# Altium PCB PCB_ALMA_TESLA.PcbDoc (part 1 of 3) (continued)
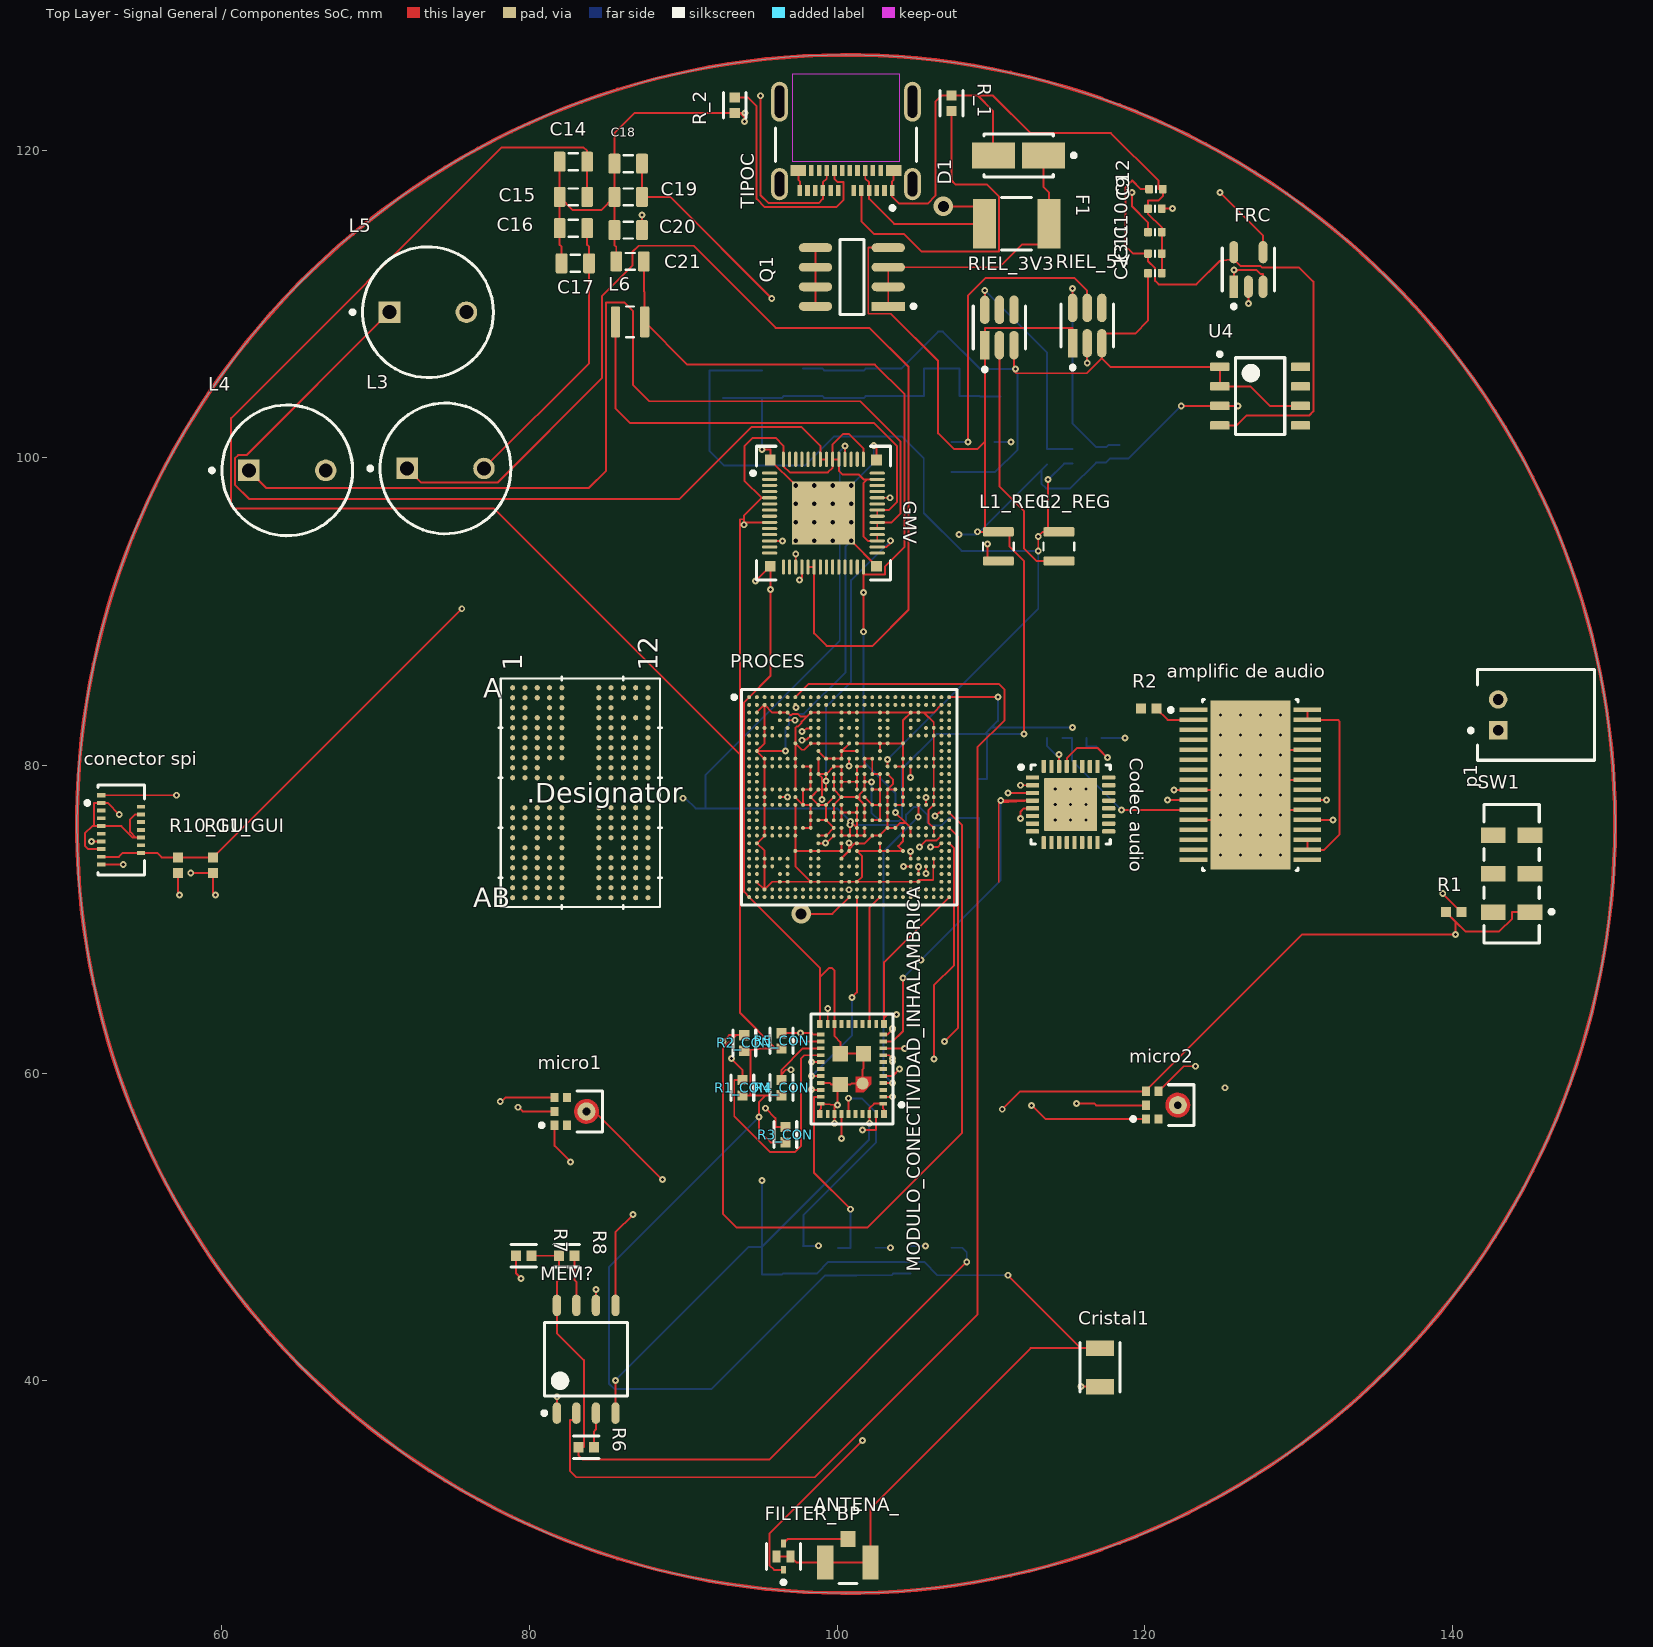
[diagram p0: Top Layer - Signal General / Componentes SoC view]
## Design rules (kind name [scope] priority, off if disabled: settings) (continued)
DiffPairsRouting [All] p2: maxlimit=0.2 minlimit=0.2 mostfreqgap=0.2 toplayer_minwidth=0.381 toplayer_maxwidth=0.381 toplayer_prefwidth=0.381 midlayer1_minwidth=0.381 midlayer1_maxwidth=0.381 midlayer1_prefwidth=0.381 midlayer2_minwidth=0.381 midlayer2_maxwidth=0.381 midlayer2_prefwidth=0.381 midlayer3_minwidth=0.381 midlayer3_maxwidth=0.381 midlayer3_prefwidth=0.381 midlayer4_minwidth=0.381 midlayer4_maxwidth=0.381 midlayer4_prefwidth=0.381 midlayer5_minwidth=0.381 midlayer5_maxwidth=0.381 midlayer5_prefwidth=0.381 midlayer6_minwidth=0.381 midlayer6_maxwidth=0.381 midlayer6_prefwidth=0.381 midlayer7_minwidth=0.381 midlayer7_maxwidth=0.381 midlayer7_prefwidth=0.381 midlayer8_minwidth=0.381 midlayer8_maxwidth=0.381 midlayer8_prefwidth=0.381 bottomlayer_minwidth=0.381 bottomlayer_maxwidth=0.381 bottomlayer_prefwidth=0.381 maxuncoupledlength=12.7
FabricationTestPointUsage [All] p1: isadvanced=TRUE valid=0 allowmultiple=FALSE
FabricationTestpoint [All] p1: isadvanced=TRUE side=3 testpointundercomponent=TRUE minsize=1.016 maxsize=0.2 preferedsize=0.2 minholesize=0 maxholesize=1.016 preferedholesize=0.813 testpointgrid=0.025 allowsidetop=TRUE allowsidebottom=TRUE usegrid=TRUE gridtolerance=0
FanoutControl Fanout_BGA [IsBGA] p1: isadvanced=TRUE bgadir=Out bgaviamode=Centered fanoutstyle=Auto fanoutdirection=Alternating viagrid=0.025 // Fanout_BGA (Default Rule)
FanoutControl Fanout_LCC [IsLCC] p2: isadvanced=TRUE bgadir=Out bgaviamode=Centered fanoutstyle=Auto fanoutdirection=Alternating viagrid=0.025 // Fanout_LCC (Default Rule)
FanoutControl Fanout_SOIC [IsSOIC] p3: isadvanced=TRUE bgadir=Out bgaviamode=Centered fanoutstyle=Auto fanoutdirection=Alternating viagrid=0.025 // Fanout_SOIC (Default Rule)
FanoutControl Fanout_Small [(CompPinCount < 5)] p4: isadvanced=TRUE bgadir=Out bgaviamode=Centered fanoutstyle=Auto fanoutdirection=OutThenIn viagrid=0.025 // Fanout_Small (Default Rule)
FanoutControl Fanout_Default [All] p5: isadvanced=TRUE bgadir=Out bgaviamode=Centered fanoutstyle=Auto fanoutdirection=Alternating viagrid=0.025 // Fanout_Default (Default Rule)
Height [All] p1: isadvanced=TRUE minheight=0 maxheight=25.4 prefheight=12.7
HoleSize [All] p1: isadvanced=TRUE absolutevalues=TRUE maxlimit=0.2 minlimit=0.025 maxpercent=80.000 minpercent=20.000
HoleToHoleClearance [All] p1: isadvanced=TRUE gap=0.2 allowstackedmicrovias=TRUE
LayerPairs [All] p1: isadvanced=TRUE enforce=TRUE
MinimumSolderMaskSliver [All] p1: isadvanced=TRUE minsoldermaskwidth=0.254
NetAntennae [All] p1: isadvanced=TRUE netantennaetolerance=0
PasteMaskExpansion [All] p1: isadvanced=TRUE expansion=0
PlaneClearance [All] p1: isadvanced=TRUE clearance=0.508
PlaneConnect [All] p1: isadvanced=TRUE planeconnectstyle=Relief reliefexpansion=0.508 reliefentries=4 reliefconductorwidth=0.254 reliefairgap=0.254
PolygonConnect [All] p1: connectstyle=Relief reliefconductorwidth=0.254 reliefentries=4 polygonreliefangle="90 Angle" airgapwidth=0.254
RoomDefinition U_Conectividad [InComponentClass('U_Conectividad')] p1: isadvanced=TRUE confinementstyle=ConfineIn formatcopy=TRUE lockcomponents=FALSE outline 78.233,47.043 78.233,49.223 92.763,49.223 92.763,60.572 92.89,60.572 92.89,63.239 95.303,63.239 95.303,63.366 97.843,63.366 97.843,64.296 104.701,64.296 104.701,49.658 105.904,49.658 105.904,49.542 108.571,49.542 108.571,43.078 118.748,43.078 118.748,38.67 103.165,38.67 103.165,26.365 98.257,26.365 98.257,26.396 95.066,26.396 95.066,34.597 82.176,34.597 82.176,36.823 80.332,36.823 80.332,47.043
RoomDefinition U_Sonido [InComponentClass('U_Sonido')] p2: isadvanced=TRUE confinementstyle=ConfineIn formatcopy=TRUE lockcomponents=FALSE outline 80.295,55.336 80.295,59.694 111.46,59.694 111.46,80.749 112.776,80.749 112.776,82.667 118.932,82.667 118.932,84.522 121.194,84.522 121.194,84.894 140.699,84.894 140.699,86.625 149.61,86.625 149.61,79.967 146.954,79.967 146.954,68.015 124.084,68.015 124.084,55.717 85.603,55.717 85.603,55.336
RoomDefinition U_03_Potencia_Audio [InComponentClass('U_03_Potencia_Audio')] p3: isadvanced=TRUE confinementstyle=ConfineIn formatcopy=TRUE lockcomponents=FALSE outline 119.541,111.339 119.541,115.356 119.541,116.88 119.61,116.88 119.61,118.15 121.86,118.15 121.86,114.653 128.746,114.653 128.746,107.193 131.083,107.193 131.083,101.188 123.933,101.188 123.933,111.339
RoomDefinition U_04_PMIC_Alimentacion [InComponentClass('U_04_PMIC_Alimentacion')] p4: isadvanced=TRUE confinementstyle=ConfineIn formatcopy=TRUE lockcomponents=FALSE outline 58.912,94.612 58.912,103.762 68.056,103.762 68.056,114.049 81.14,114.049 81.14,120.328 84.59,120.328 84.59,120.201 88.157,120.201 88.157,113.851 88.273,113.851 88.273,101.059 103.766,101.059 103.766,91.759 94.091,91.759 94.091,94.612
RoomDefinition U_01_Entrada_y_Proteccion [InComponentClass('U_01_Entrada_y_Proteccion')] p5: isadvanced=TRUE confinementstyle=ConfineIn formatcopy=TRUE lockcomponents=FALSE outline 93.779,121.54 93.779,124.32 95.817,124.32 95.817,125.694 106.465,125.694 106.465,124.447 108.532,124.447 108.532,121.845 115.888,121.845 115.888,117.487 114.986,117.487 114.986,113.062 105.519,113.062 105.519,109.976 96.955,109.976 96.955,115.776 95.817,115.776 95.817,121.54
RoomDefinition U_02_Reguladores_Buck [InComponentClass('U_02_Reguladores_Buck')] p6: isadvanced=TRUE confinementstyle=ConfineIn formatcopy=TRUE lockcomponents=FALSE outline 91.327,105.928 91.327,109.486 96.534,109.486 96.534,109.613 108.379,109.613 108.379,109.985 117.366,109.985 117.366,104.58 117.542,104.58 117.542,104.449 118.966,104.449 118.966,102.191 117.542,102.191 117.542,101.922 116.145,101.922 116.145,101.762 114.636,101.762 114.636,99.855 109.011,99.855 109.011,100.609 108.58,100.609 108.58,100.654 105.786,100.654 105.786,105.928
RoomDefinition U_Interfaz_grafica [InComponentClass('U_Interfaz_grafica')] p7: isadvanced=TRUE confinementstyle=ConfineIn formatcopy=TRUE lockcomponents=FALSE outline 50.763,72.44 50.763,79.198 55.476,79.198 55.476,74.6 62.17,74.6 62.17,71.942 59.884,71.942 59.884,71.688 58.226,71.688 58.226,72.44
RoutingCorners [All] p1: isadvanced=TRUE cornerstyle=45-Degree minsetback=2.54 maxsetback=2.54
RoutingPriority [All] p1: isadvanced=TRUE routingpriority=0
RoutingVias RoutingViaStyle_1 [All] p1: isadvanced=TRUE holewidth=0.2 width=0.45 viastyle="Through Hole" minholewidth=0.2 minwidth=0.45 maxholewidth=0.2 maxwidth=0.45
RoutingVias [All] p2: holewidth=0.711 width=1.27 viastyle="Through Hole" minholewidth=0.711 minwidth=1.27 maxholewidth=0.711 maxwidth=1.27
ShortCircuit [All] p1: isadvanced=TRUE allowed=FALSE
SilkToSilkClearance [All] p1: isadvanced=TRUE silktosilkclearance=0.2
SilkToSolderMaskClearance [IsPad] p1: isadvanced=TRUE minsilkscreentomaskgap=0.2 clearancetoexposedcopper=TRUE
SolderMaskExpansion [All] p1: isadvanced=TRUE expansion=0 istentingtop=FALSE
SupplyNets "Schematic Supply Nets_9" [InNet('3V3_DIGITAL')] p1: isadvanced=TRUE voltage=0.000
SupplyNets "Schematic Supply Nets_7" [InNet('VCC_SON')] p2: isadvanced=TRUE voltage=0.000
SupplyNets "Schematic Supply Nets_6" [InNet('VCC5V0')] p3: isadvanced=TRUE voltage=0.000
SupplyNets "Schematic Supply Nets_5" [InNet('5V_DIGITAL')] p4: isadvanced=TRUE voltage=0.000
SupplyNets "Schematic Supply Nets_3" [InNet('VDD_1V8_DIGITAL')] p5: isadvanced=TRUE voltage=0.000
SupplyNets "Schematic Supply Nets_2" [InNet('VDD_ARM_0V8')] p6: isadvanced=TRUE voltage=0.000
SupplyNets "Schematic Supply Nets_1" [InNet('VDD_ARM_1V1')] p7: isadvanced=TRUE voltage=0.000
SupplyNets "Schematic Supply Nets" [InNet('VDD_ARM_0V9')] p8: isadvanced=TRUE voltage=0.000
UnRoutedNet [All] p1: isadvanced=TRUE
UnpouredPolygon [All] p1: isadvanced=TRUE
Width MaxMinWidth_3 [InComponent('micro1') OR InComponent('micro2')] p1: isadvanced=TRUE maxlimit=0.2 minlimit=0.2 preferedwidth=0.2 minimp=50.000000 maximp=50.000000 favimp=50.000000
Width MaxMinWidth_2 [InNetClass('DDRAM')] p2: isadvanced=TRUE maxlimit=0.2 minlimit=0.127 preferedwidth=0.127 minimp=50.000000 maximp=50.000000 favimp=50.000000
Width MaxMinWidth_1 [InNetClass('PROCES')] p3: isadvanced=TRUE maxlimit=0.2 minlimit=0.127 preferedwidth=0.127 minimp=50.000000 maximp=50.000000 favimp=50.000000
Width [All] p4: maxlimit=0.127 minlimit=0.127 preferedwidth=0.127 minimp=50.000000 maximp=50.000000 favimp=50.000000
3 further rules are at their usual default settings.

## Classes and differential pairs
component class U_Sonido: "amplific de audio" C1 C2 "Codec audio" micro1 micro2 p1 R1 R2 SW1
component class U_Interfaz_grafica: "conector spi" display R10_GUI R11_GUI
component class U_Conectividad: *MEM ANTENA_ C1_CON C2_CON C3_CON C5_CON C6_CON C_CON Cristal1 FILTER_BP MEM? MODULO_CONECTIVIDAD_INHALAMBRICA R1_CON R2_CON R3_CON R4_CON R5_CON R6 R7 R8
component class U_04_PMIC_Alimentacion: C14 C15 C16 C17 C18 C19 C20 C21 GMV L3 L4 L5 L6
component class U_03_Potencia_Audio: C9 C10 C11 C12 C13 FRC U4
component class U_02_Reguladores_Buck: C1_REG C2_REG C3_REG C4_REG C5_REG C6_REG C7_REG C8_REG L1_REG L2_REG R1_REG R2_REG R3_REG R4_REG R5_REG R6_REG RIEL_3V3 RIEL_5V
component class U_01_Entrada_y_Proteccion: D1 F1 Q1 R_1 R_2 TIPOC
component class Designator: lp R12 R13 R_12 R_14 R_20 R_21 R_22

## Components (designator, comment, footprint, x,y, rotation, side; value= is the part's Value field where it differs from the comment)
"amplific de audio" "TPA3118D2DAPR" FP-DAP0032B-MFG 126.873,78.74 r0 top
ANTENA_ "U.FL-R-SMT(10)" FP-U_FL-R-SMT_10-MFG 100.711,28.194 r0 top
C1 "Capacitor 1 uF +/- 10% 6.3 V 1005" CAPC1005X55X25ML5T10 116.713,81.788 r0 bottom value=1µF
C1_CON "Capacitor 4.7µF +/-40% 25V 0805" CAPC0805(2012)145_L 100.076,47.752 r90 bottom value=4.7µF
C1_REG "Capacitor 10µF +/-20% 25V 0805" CAPC0805(2012)145_L 103.124,104.913 r90 bottom value=10µF
C2 "Capacitor 1 uF +/- 10% 6.3 V 1005" CAPC1005X55X25ML5T10 114.155,81.788 r0 bottom value=1µF
C2_CON "Capacitor 4.7µF +/-40% 25V 0805" CAPC0805(2012)145_L 104.775,47.879 r90 bottom value=4.7µF
C2_REG "Capacitor 10µF +/-20% 25V 0805" CAPC0805(2012)145_L 110.617,104.901 r90 bottom value=10µF
C3_CON "Capacitor 4.7µF +/-40% 25V 0805" CAPC0805(2012)145_L 102.489,47.763 r90 bottom value=4.7µF
C3_REG "Capacitor 22µF +/-40% 16V 0805" CAPC0805(2012)145_L 107.95,104.913 r90 bottom value=22µF
C4_REG "Capacitor 22µF +/-40% 16V 0805" CAPC0805(2012)145_L 105.664,104.913 r90 bottom value=22µF
C5_CON "Capacitor 4.7µF +/-40% 25V 0805" CAPC0805(2012)145_L 95.123,47.818 r90 bottom value=4.7µF
C5_REG "Capacitor 10µF +/-20% 25V 0805" CAPC0805(2012)145_L 100.457,104.786 r90 bottom value=10µF
C6_CON "Capacitor 4.7µF +/-40% 25V 0805" CAPC0805(2012)145_L 97.79,47.89 r90 bottom value=4.7µF
C6_REG "Capacitor 10µF +/-20% 25V 0805" CAPC0805(2012)145_L 97.79,104.913 r90 bottom value=10µF
C7_REG "Capacitor 22µF +/-40% 16V 0805" CAPC0805(2012)145_L 95.123,104.786 r90 bottom value=22µF
C8_REG "Capacitor 22µF +/-40% 16V 0805" CAPC0805(2012)145_L 92.583,104.786 r90 bottom value=22µF
C9 "Capacitor 1µF +/-20% 10V 0402" CAPC0402(1005)60_L 120.666,116.205 r0 top value=1µF
C10 "Capacitor 1nF +/-20% 50V 0402" CAPC0402(1005)33_L 120.666,114.681 r180 top value=1nF
C11 "Capacitor 2,2µF +/-20% 10V 0402" CAPC0402(1005)60_L 120.666,113.284 r180 top value=2.2µF
C12 "Capacitor 1µF +/-20% 10V 0402" CAPC0402(1005)60_L 120.735,117.475 r180 top value=1µF
C13 "Capacitor 1µF +/-20% 10V 0402" CAPC0402(1005)60_L 120.666,112.014 r180 top value=1µF
C14 "Capacitor 10µF +/-20% 25V 0805" CAPC0805(2012)145_L 82.865,119.253 r0 top value=10µF
C15 "Capacitor 10µF +/-20% 25V 0805" CAPC0805(2012)145_L 82.865,116.967 r0 top value=10µF
C16 "Capacitor 22µF +/-40% 16V 0805" CAPC0805(2012)145_L 82.865,114.935 r0 top value=22µF
C17 "Capacitor 22µF +/-40% 16V 0805" CAPC0805(2012)145_L 82.992,112.649 r0 top value=22µF
C18 "Capacitor 22µF +/-40% 16V 0805" CAPC0805(2012)145_L 86.432,119.126 r0 top value=22µF
C19 "Capacitor 22µF +/-40% 16V 0805" CAPC0805(2012)145_L 86.432,116.967 r0 top value=22µF
C20 "Capacitor 22µF +/-40% 16V 0805" CAPC0805(2012)145_L 86.432,114.808 r0 top value=22µF
C21 "Capacitor 10µF +/-20% 25V 0805" CAPC0805(2012)145_L 86.548,112.776 r0 top value=10µF
C_CON "Capacitor 4.7µF +/-40% 25V 0805" CAPC0805(2012)145_L 107.442,47.763 r90 bottom value=4.7µF
"Codec audio" "TLV320AIC3104IRHBT" RHB0032E_V 115.189,77.47 r0 top
"conector spi" "FH64MA-15S-0.25SHW(99)" FP-FH64MA-15S-0_25SHW_99-MFG 53.467,75.819 r90 top
Cristal1 "ABS07-120-32.768KHZ-T" FP-ABS07-120-MFG 117.094,40.874 r90 top
D1 "SMAJ12A-E3/5A" VISH-DO-214AC-2_M 111.809,119.666 r180 top
F1 "MF-MSMF260-2" FP-MF-MSMF260-2-MFG 111.682,115.221 r0 top value=15mΩ
FILTER_BP "DEA162450BT-1295A1" FP-DEA162450BT-1295A1-MFG 96.52,28.575 r90 top
FRC "MIC5219-5.0YM5-TR" FP-SOT23-5LD-PL-1-IPC_B 126.746,112.25 r90 top
GMV "BD71847AMWV-E2" FP-UQFN56BV7070-MFG 99.116,96.409 r0 top
L1_REG "VLS252010HBX-2R2M-1" TDK-VLS252010_V 110.49,94.245 r90 top value=2.2µH
L2_REG "VLS252010HBX-2R2M-1" TDK-VLS252010_V 114.427,94.245 r90 top value=2.2µH
L3 "RL622-101K-RC" INDR62-500-1100X850X1100 74.549,99.314 r0 top value=100µH
L4 "RL622-101K-RC" INDR62-500-1100X850X1100 64.262,99.187 r0 top value=100µH
L5 "RL622-101K-RC" INDR62-500-1100X850X1100 73.406,109.474 r0 top value=100µH
L6 "VLS252010HBX-2R2M-1" TDK-VLS252010_V 86.548,108.839 r0 top value=2.2µH
MEM? "W25Q128FVSIG" WINB-SOIC-8_L 83.693,41.402 r90 top
micro1 "ICS-43434" FP-ICS-43434-MFG 82.999,57.515 r0 top
micro2 "ICS-43434" FP-ICS-43434-MFG 121.446,57.923 r0 top
MODULO_CONECTIVIDAD_INHALAMBRICA "LBEE5KL1DX-883" FP-LBEE5KL1DX-883-MFG 100.972,60.267 r90 top
p1 "S2B-PH-K-S(LF)(SN)" JST-S2B-PH-K-S_V 145.431,83.296 r90 top
PROCES "MIMX8MM6DVTLZAA" FP-SOT1967-2-IPC_A 100.79,77.946 r0 top
Q1 "IRF7410TRPBF" FP-PG-DSO-8-IPC_B 100.965,111.76 r180 top value=7MΩ
R1 "Resistor 10k +/-1% 0402 63 mW" RESC1005X40X25ML05T05 140.089,70.469 r0 top value=10k
R1_CON "1029c3af85768c4190bb7ad29bc67b5" FP-CRCW0402-e3-IPC_A 93.853,59.055 r90 top value=1k
R1_REG "Resistor 100k +/-1% 0805 125 mW" RESC2013X70X40ML20T20 107.442,100.046 r90 bottom value=100k
R2 "Resistor 10k +/-1% 0402 63 mW" RESC1005X40X25ML05T05 120.261,83.693 r0 top value=10k
R2_CON "1029c3af85768c4190bb7ad29bc67b5" FP-CRCW0402-e3-IPC_A 93.98,61.97 r90 top value=1k
R2_REG "Resistor 53K6 +/-1 % 0402 63 mW" RESC0402(1005)_L 118.364,100.399 r90 bottom value=53.6k
R3_CON "1029c3af85768c4190bb7ad29bc67b5" FP-CRCW0402-e3-IPC_A 96.647,56.007 r90 top value=1k
R3_REG "Resistor 10k +/-1% 0402 63 mW" RESC1005X40X25ML05T05 116.84,100.195 r90 bottom value=10k
R4_CON "1029c3af85768c4190bb7ad29bc67b5" FP-CRCW0402-e3-IPC_A 96.393,59.061 r90 top value=1k
R4_REG "Resistor 100k +/-1% 0805 125 mW" RESC2013X70X40ML20T20 110.236,100.046 r90 bottom value=100k
R5_CON "1029c3af85768c4190bb7ad29bc67b5" FP-CRCW0402-e3-IPC_A 96.393,62.103 r90 top value=1k
R5_REG "Resistor 33k +/-5% 0402 63 mW" RESC1005X40X25ML10T10 115.316,100.109 r270 bottom value=33k
R6 "1029c3af85768c4190bb7ad29bc67b5" FP-CRCW0402-e3-IPC_A 83.693,35.687 r0 top value=1k
R6_REG "Resistor 10k +/-1% 0402 63 mW" RESC1005X40X25ML05T05 113.665,100.076 r90 bottom value=10k
R7 "1029c3af85768c4190bb7ad29bc67b5" FP-CRCW0402-e3-IPC_A 79.635,48.133 r0 top value=1k
R8 "1029c3af85768c4190bb7ad29bc67b5" FP-CRCW0402-e3-IPC_A 82.429,48.133 r0 top value=1k
R10_GUI "Resistor 10k +/-1% 0402 63 mW" RESC1005X40X25ML05T05 57.15,73.525 r90 top value=10k
R11_GUI "Resistor 10k +/-1% 0402 63 mW" RESC1005X40X25ML05T05 59.436,73.525 r90 top value=10k
R_1 "CRCW0402680RJNED" FP-CRCW0402-e3-IPC_A 107.442,123.057 r90 top value=680
R_2 "CRCW0402680RJNED" FP-CRCW0402-e3-IPC_A 93.345,122.93 r270 top value=680
R_12 "CRCW0402680RJNED" FP-CRCW0402-e3-IPC_A 109.22,79.623 r90 bottom value=10K
R_14 "CRCW0402680RJNED" FP-CRCW0402-e3-IPC_A 109.22,82.544 r90 bottom value=10k
R_20 "CRCW0402680RJNED" FP-CRCW0402-e3-IPC_A 91.44,76.708 r90 bottom value=10k
R_21 "CRCW0402680RJNED" FP-CRCW0402-e3-IPC_A 109.22,74.162 r270 bottom value=10k
R_22 "CRCW0402680RJNED" FP-CRCW0402-e3-IPC_A 109.22,77.083 r90 bottom value=10k
RIEL_3V3 "TPS563249DDCR" FP-DDC0005A-IPC_A 110.556,108.476 r90 top
RIEL_5V "TPS563249DDCR" FP-DDC0005A-IPC_A 116.266,108.603 r90 top
SW1 "JS202011JCQN" FP-JS202011JCQN-MFG 143.85,72.969 r90 top
TIPOC "105450-0101" FP-1054500101-MFG 100.584,121.158 r180 top
U4 "TPA311DR" D0008A_L 127.508,104.013 r0 top

## Footprints (in the part's own frame and the unit in brackets; to place one, negate y for a bottom-side part, rotate by r counter-clockwise, add the part's x,y. Pads: shape width x height; smd on the part's side, far side on the other; paste and mask are expansions set on the pad)
CAPC0402(1005)33_L [mm] "Chip Capacitor, Body 1.0x0.5mm, Height 0.33mm, IPC High Density"
  rrect25% 0.5x0.55 smd: 1(-0.45,0) 2(0.45,0)
  silkscreen extent 0,-0.2 0,0.2, body extent -0.5,-0.25 0.5,0.25, height 0.55
CAPC0402(1005)60_L [mm] "Chip Capacitor, Body 1.0x0.5mm, Height 0.6mm, IPC High Density"
  rrect25% 0.5x0.55 smd: 1(-0.45,0) 2(0.45,0)
  silkscreen extent 0,-0.2 0,0.2, body extent -0.5,-0.25 0.5,0.25, height 0.6
CAPC0805(2012)145_L [mm] "Chip Capacitor, Body 2.0x1.2mm, Height 1.45mm, IPC High Density"
  rrect25% 0.76x1.3 smd: 1(-0.9,0) 2(0.89,0)
  silkscreen extent -0.3,-0.55 0.3,0.55, body extent -1,-0.6 1,0.6, height 1.45
CAPC1005X55X25ML5T10 [mm] "Chip Capacitor, 2-Leads, Body 1.05x0.55mm, IPC Low Density"
  rect 0.76x0.72 smd: 1(-0.49,0) 2(0.49,0)
  body extent -0.53,-0.28 0.53,0.28, height 0.55
D0008A_L [mm] "SOIC, 8-Leads, Body 5x4mm, Pitch 1.27mm, IPC High Density"
  rrect18% 1.25x0.55 smd: 1(-2.625,1.905) 2(-2.625,0.635) 3(-2.625,-0.635) 4(-2.625,-1.905) 5(2.625,-1.905) 6(2.625,-0.635) 7(2.625,0.635) 8(2.625,1.905)
  silkscreen extent -2.75,-2.5 1.6,2.85, body extent -3,-2.45 3,2.45, height 1.63
FP-1054500101-MFG [mm]
  rrect100% 1.1x2.1 hole 1.6 slot 0.6 at 0 deg paste-2539.97 mask+0: 1(-4.32,3.36) 2(4.32,3.36)
  rrect100% 1.1x2.6 hole 2.1 slot 0.6 at 0 deg paste-2539.97 mask+0: 3(-4.32,-2) 4(4.32,-2)
  rect 0.3x0.7 smd paste+0 mask+0: A1(-3,3.77) A2(-2.5,3.77) A3(-2,3.77) A4(-1.5,3.77) A5(-1,3.77) A6(-0.5,3.77) A7(0.5,3.77) A8(1,3.77) A9(1.5,3.77) A10(2,3.77) A11(2.5,3.77) A12(3,3.77) B2(2.25,2.47) B3(1.75,2.47) B4(1.25,2.47) B5(0.75,2.47) B6(0.25,2.47) B7(-0.25,2.47) B8(-0.75,2.47) B9(-1.25,2.47) B10(-1.75,2.47) B11(-2.25,2.47)
  rect 1x0.7 smd paste+0 mask+0: B1(3.1,2.47) B12(-3.1,2.47)
  Keep-Out Layer region: -3.5,-3.77 3.5,-3.77 3.5,1.88 -3.5,1.88
  silkscreen extent -4.57,-0.3 4.57,5.03
FP-ABS07-120-MFG [mm]
  rect 1x1.8 smd paste+0 mask+0: 1(-1.25,0) 2(1.25,0)
  silkscreen extent -1.6,-1.3 1.6,1.3, body extent -1.85,-1 1.85,1, height 0.25
FP-CRCW0402-e3-IPC_A [mm]
  rect 0.668x0.672 smd paste+0 mask+0: 1(-0.502,0) 2(0.502,0)
  silkscreen extent -0.84,-0.74 0.84,0.74, body extent -1.04,-0.54 1.04,0.54, height 0.25
FP-DAP0032B-MFG [mm]
  rect 1.8x0.3 smd paste+0 mask+0: 1(-3.7,4.875) 2(-3.7,4.225) 3(-3.7,3.575) 4(-3.7,2.925) 5(-3.7,2.275) 6(-3.7,1.625) 7(-3.7,0.975) 8(-3.7,0.325) 9(-3.7,-0.325) 10(-3.7,-0.975) 11(-3.7,-1.625) 12(-3.7,-2.275) 13(-3.7,-2.925) 14(-3.7,-3.575) 15(-3.7,-4.225) 16(-3.7,-4.875) 17(3.7,-4.875) 18(3.7,-4.225) 19(3.7,-3.575) 20(3.7,-2.925) 21(3.7,-2.275) 22(3.7,-1.625) 23(3.7,-0.975) 24(3.7,-0.325) 25(3.7,0.325) 26(3.7,0.975) 27(3.7,1.625) 28(3.7,2.275) 29(3.7,2.925) 30(3.7,3.575) 31(3.7,4.225) 32(3.7,4.875)
  rect 5.2x11 smd paste-1000 mask-1000: 33(0,0)
  silkscreen extent -5.3,-5.55 3.1,5.55, body extent -4.7,-5.8 4.7,5.8, height 0.25
FP-DDC0005A-IPC_A [mm]
  rect 1.854x0.612 smd paste+0 mask+0: 1(-1.15,0.95)
  rrect100% 1.854x0.612 smd paste+0 mask+0: 2(-1.15,0) 3(-1.15,-0.95) 4(1.15,-0.95) 5(1.15,0) 6(1.15,0.95)
  silkscreen extent -2.85,-1.7 1.4,1.7, body extent -2.58,-1.95 2.58,1.95, height 0.25
FP-DEA162450BT-1295A1-MFG [mm]
  rect 0.5x0.3 smd paste+0 mask+0: 1(-0.85,0) 3(0.85,0)
  rect 0.8x0.5 smd paste+0 mask+0: 2(0,-0.45) 4(0,0.45)
  silkscreen extent -1.8,-1.1 0.85,1.1, body extent -1.2,-0.8 1.2,0.8, height 0.25
FP-FH64MA-15S-0_25SHW_99-MFG [mm]
  rect 0.25x0.55 smd paste-1000 mask-1000: 1(1.75,1.3) 3(1.25,1.3) 5(0.75,1.3) 7(0.25,1.3) 9(-0.25,1.3) 11(-0.75,1.3) 13(-1.25,1.3) 15(-1.75,1.3)
  rect 0.25x0.53 smd paste-1000 mask-1000: 2(1.5,-1.29) 4(1,-1.29) 6(0.5,-1.29) 8(0,-1.29) 10(-0.5,-1.29) 12(-1,-1.29) 14(-1.5,-1.29)
  rect 0.27x0.55 smd paste-1000 mask-1000: 16(-2.25,1.3) 17(2.25,1.3)
  silkscreen extent -2.93,-1.51 2.93,2.32, body extent -3.03,-1.66 3.03,1.68, height 0.25
FP-ICS-43434-MFG [mm]
  rect 0.522x0.6 smd paste-1000 mask+0: 1(-1.364,-0.9) 2(-0.542,-0.9) 4(-0.542,0.9) 5(-1.364,0.9) 6(-1.364,0)
  round 1.178 smd paste-1000 mask-1000: 3(0.71,0)
  round 0.5 hole 0.5 unplated paste-2539.97 mask+0: ""(0.71,0)
  Top Layer - Signal General / Componentes SoC circle w0.3: c0.71,0 r0.663
  silkscreen extent -2.32,-1.33 1.75,1.33, body extent -2.25,-1.83 2.25,1.83, height 0.13
FP-JS202011JCQN-MFG [mm]
  rect 1x1.6 smd paste+0 mask+0: 1(-2.5,-1.2) 2(0,-1.2) 3(2.5,-1.2) 5(-2.5,1.2) 6(0,1.2) 7(2.5,1.2)
  silkscreen extent -4.5,-2.73 4.5,1.8, body extent -4.6,-2.1 4.6,2.1, height 0.25
FP-LBEE5KL1DX-883-MFG [mm]
  rect 0.25x0.5 smd paste+0 mask+0: 1(-2.25,-2.025) 2(-1.8,-2.025) 3(-1.35,-2.025) 4(-0.9,-2.025) 5(-0.45,-2.025) 6(0,-2.025) 7(0.45,-2.025) 8(0.9,-2.025) 9(1.35,-2.025) 10(1.8,-2.025) 11(2.25,-2.025) 22(2.25,2.025) 23(1.8,2.025) 24(1.35,2.025) 25(0.9,2.025) 26(0.45,2.025) 27(0,2.025) 28(-0.45,2.025) 29(-0.9,2.025) 30(-1.35,2.025) 31(-1.8,2.025) 32(-2.25,2.025)
  rect 0.5x0.375 smd paste+0 mask+0: 12(2.925,-2.088) 21(2.925,2.087) 33(-2.925,2.087) 42(-2.925,-2.088)
  rect 0.5x0.25 smd paste+0 mask+0: 13(2.925,-1.575) 14(2.925,-1.125) 15(2.925,-0.675) 16(2.925,-0.225) 17(2.925,0.225) 18(2.925,0.675) 19(2.925,1.125) 20(2.925,1.575) 34(-2.925,1.575) 35(-2.925,1.125) 36(-2.925,0.675) 37(-2.925,0.225) 38(-2.925,-0.225) 39(-2.925,-0.675) 40(-2.925,-1.125) 41(-2.925,-1.575)
  round 0.787 smd paste+0 mask+0: 43(-0.938,-0.687)
  rect 1x1 smd paste+0 mask+0: 44(1,-0.75) 45(-1,0.75) 46(1,0.75)
  Top Layer - Signal General / Componentes SoC region: -0.5,-0.25 -0.5,-1.25 -1,-1.25 -1.5,-0.75 -1.5,-0.25
  silkscreen extent -3.57,-3.35 3.57,2.67, body extent -3.67,-2.78 3.67,2.78, height 0.25
FP-MF-MSMF260-2-MFG [mm]
  rect 1.5x3.2 smd paste+0 mask+0: 1(-2.1,0) 2(2.1,0)
  silkscreen extent -0.98,-1.7 0.97,1.71, body extent -2.95,-1.81 2.95,1.81, height 0.25
FP-PG-DSO-8-IPC_B [mm]
  rect 2.174x0.583 smd paste+0 mask+0: 1(-2.366,1.905)
  rrect100% 2.174x0.583 smd paste+0 mask+0: 2(-2.366,0.635) 3(-2.366,-0.635) 4(-2.366,-1.905) 5(2.366,-1.905) 6(2.366,-0.635) 7(2.366,0.635) 8(2.366,1.905)
  silkscreen extent -4.13,-2.45 0.78,2.45, body extent -3.7,-2.7 3.7,2.7, height 0.25
FP-SOT23-5LD-PL-1-IPC_B [mm]
  rect 1.456x0.57 smd paste+0 mask+0: 1(-1.125,0.95)
  rrect100% 1.456x0.57 smd paste+0 mask+0: 2(-1.125,0) 3(-1.125,-0.95) 4(1.125,-0.95) 5(1.125,0.95)
  silkscreen extent -2.53,-1.7 1.4,1.7, body extent -2.1,-1.7 2.1,1.7, height 0.25
FP-SOT1967-2-IPC_A [mm]
  round 0.255 smd paste+0 mask+0: A1(-6.5,6.5) A2(-6,6.5) A3(-5.5,6.5) A4(-5,6.5) A5(-4.5,6.5) A6(-4,6.5) A7(-3.5,6.5) A8(-3,6.5) A9(-2.5,6.5) A10(-2,6.5) A11(-1.5,6.5) A12(-1,6.5) A13(-0.5,6.5) A14(0,6.5) A15(0.5,6.5) A16(1,6.5) A17(1.5,6.5) A18(2,6.5) A19(2.5,6.5) A20(3,6.5) A21(3.5,6.5) A22(4,6.5) A23(4.5,6.5) A24(5,6.5) A25(5.5,6.5) A26(6,6.5) A27(6.5,6.5) AA1(-6.5,-3.5) AA2(-6,-3.5) AA7(-3.5,-3.5) AA9(-2.5,-3.5) AA10(-2,-3.5) AA13(-0.5,-3.5) AA14(0,-3.5) AA15(0.5,-3.5) AA18(2,-3.5) AA19(2.5,-3.5) AA21(3.5,-3.5) AA26(6,-3.5) AA27(6.5,-3.5) AB1(-6.5,-4) AB2(-6,-4) AB3(-5.5,-4) AB4(-5,-4) AB5(-4.5,-4) AB6(-4,-4) AB9(-2.5,-4) AB10(-2,-4) AB13(-0.5,-4) AB15(0.5,-4) AB18(2,-4) AB19(2.5,-4) AB22(4,-4) AB23(4.5,-4) AB24(5,-4) AB25(5.5,-4) AB26(6,-4) AB27(6.5,-4) AC1(-6.5,-4.5) AC2(-6,-4.5) AC3(-5.5,-4.5) AC4(-5,-4.5) AC6(-4,-4.5) AC9(-2.5,-4.5) AC10(-2,-4.5) AC13(-0.5,-4.5) AC14(0,-4.5) AC15(0.5,-4.5) AC18(2,-4.5) AC19(2.5,-4.5) AC22(4,-4.5) AC24(5,-4.5) AC25(5.5,-4.5) AC26(6,-4.5) AC27(6.5,-4.5) AD1(-6.5,-5) AD2(-6,-5) AD5(-4.5,-5) AD6(-4,-5) AD9(-2.5,-5) AD10(-2,-5) AD13(-0.5,-5) AD15(0.5,-5) AD18(2,-5) AD19(2.5,-5) AD22(4,-5) AD23(4.5,-5) AD26(6,-5) AD27(6.5,-5) AE1(-6.5,-5.5) AE2(-6,-5.5) AE5(-4.5,-5.5) AE6(-4,-5.5) AE9(-2.5,-5.5) AE10(-2,-5.5) AE13(-0.5,-5.5) AE14(0,-5.5) AE15(0.5,-5.5) AE18(2,-5.5) AE19(2.5,-5.5) AE22(4,-5.5) AE23(4.5,-5.5) AE26(6,-5.5) AE27(6.5,-5.5) AF1(-6.5,-6) AF2(-6,-6) AF3(-5.5,-6) AF4(-5,-6) AF5(-4.5,-6) AF6(-4,-6) AF7(-3.5,-6) AF8(-3,-6) AF9(-2.5,-6) AF10(-2,-6) AF11(-1.5,-6) AF12(-1,-6) AF13(-0.5,-6) AF14(0,-6) AF15(0.5,-6) AF16(1,-6) AF17(1.5,-6) AF18(2,-6) AF19(2.5,-6) AF20(3,-6) AF21(3.5,-6) AF22(4,-6) AF23(4.5,-6) AF24(5,-6) AF25(5.5,-6) AF26(6,-6) AF27(6.5,-6) AG1(-6.5,-6.5) AG2(-6,-6.5) AG3(-5.5,-6.5) AG4(-5,-6.5) AG5(-4.5,-6.5) AG6(-4,-6.5) AG7(-3.5,-6.5) AG8(-3,-6.5) AG9(-2.5,-6.5) AG10(-2,-6.5) AG11(-1.5,-6.5) AG12(-1,-6.5) AG13(-0.5,-6.5) AG14(0,-6.5) AG15(0.5,-6.5) AG16(1,-6.5) AG17(1.5,-6.5) AG18(2,-6.5) AG19(2.5,-6.5) AG20(3,-6.5) AG21(3.5,-6.5) AG22(4,-6.5) AG23(4.5,-6.5) AG24(5,-6.5) AG25(5.5,-6.5) AG26(6,-6.5) AG27(6.5,-6.5) B1(-6.5,6) B2(-6,6) B3(-5.5,6) B4(-5,6) B5(-4.5,6) B6(-4,6) B7(-3.5,6) B8(-3,6) B9(-2.5,6) B10(-2,6) B11(-1.5,6) B12(-1,6) B13(-0.5,6) B14(0,6) B15(0.5,6) B16(1,6) B17(1.5,6) B18(2,6) B19(2.5,6) B20(3,6) B21(3.5,6) B22(4,6) B23(4.5,6) B24(5,6) B25(5.5,6) B26(6,6) B27(6.5,6) C1(-6.5,5.5) C2(-6,5.5) C5(-4.5,5.5) C6(-4,5.5) C9(-2.5,5.5) C10(-2,5.5) C13(-0.5,5.5) C14(0,5.5) C15(0.5,5.5) C18(2,5.5) C19(2.5,5.5) C22(4,5.5) C23(4.5,5.5) C26(6,5.5) C27(6.5,5.5) D1(-6.5,5) D2(-6,5) D5(-4.5,5) D6(-4,5) D9(-2.5,5) D10(-2,5) D13(-0.5,5) D15(0.5,5) D18(2,5) D19(2.5,5) D22(4,5) D23(4.5,5) D26(6,5) D27(6.5,5) E1(-6.5,4.5) E2(-6,4.5) E3(-5.5,4.5) E4(-5,4.5) E6(-4,4.5) E9(-2.5,4.5) E10(-2,4.5) E13(-0.5,4.5) E14(0,4.5) E15(0.5,4.5) E18(2,4.5) E19(2.5,4.5) E22(4,4.5) E24(5,4.5) E25(5.5,4.5) E26(6,4.5) E27(6.5,4.5) F1(-6.5,4) F2(-6,4) F3(-5.5,4) F4(-5,4) F5(-4.5,4) F6(-4,4) F9(-2.5,4) F10(-2,4) F13(-0.5,4) F15(0.5,4) F18(2,4) F19(2.5,4) F22(4,4) F23(4.5,4) F24(5,4) F25(5.5,4) F26(6,4) F27(6.5,4) G1(-6.5,3.5) G2(-6,3.5) G7(-3.5,3.5) G9(-2.5,3.5) G10(-2,3.5) G13(-0.5,3.5) G14(0,3.5) G15(0.5,3.5) G18(2,3.5) G19(2.5,3.5) G21(3.5,3.5) G26(6,3.5) G27(6.5,3.5) H1(-6.5,3) H2(-6,3) H10(-2,3) H13(-0.5,3) H15(0.5,3) H18(2,3) H26(6,3) H27(6.5,3) J1(-6.5,2.5) J2(-6,2.5) J3(-5.5,2.5) J4(-5,2.5) J5(-4.5,2.5) J6(-4,2.5) J7(-3.5,2.5) J10(-2,2.5) J11(-1.5,2.5) J12(-1,2.5) J13(-0.5,2.5) J14(0,2.5) J15(0.5,2.5) J16(1,2.5) J17(1.5,2.5) J18(2,2.5) J21(3.5,2.5) J22(4,2.5) J23(4.5,2.5) J24(5,2.5) J25(5.5,2.5) J26(6,2.5) J27(6.5,2.5) K1(-6.5,2) K2(-6,2) K3(-5.5,2) K4(-5,2) K5(-4.5,2) K6(-4,2) K7(-3.5,2) K8(-3,2) K9(-2.5,2) K12(-1,2) K13(-0.5,2) K15(0.5,2) K16(1,2) K19(2.5,2) K20(3,2) K21(3.5,2) K22(4,2) K23(4.5,2) K24(5,2) K25(5.5,2) K26(6,2) K27(6.5,2) L1(-6.5,1.5) L2(-6,1.5) L9(-2.5,1.5) L10(-2,1.5) L11(-1.5,1.5) L12(-1,1.5) L13(-0.5,1.5) L15(0.5,1.5) L16(1,1.5) L17(1.5,1.5) L18(2,1.5) L19(2.5,1.5) L26(6,1.5) L27(6.5,1.5) M1(-6.5,1) M2(-6,1) M9(-2.5,1) M12(-1,1) M13(-0.5,1) M14(0,1) M15(0.5,1) M16(1,1) M19(2.5,1) M26(6,1) M27(6.5,1) N1(-6.5,0.5) N2(-6,0.5) N3(-5.5,0.5) N4(-5,0.5) N5(-4.5,0.5) N6(-4,0.5) N7(-3.5,0.5) N8(-3,0.5) N9(-2.5,0.5) N10(-2,0.5) N11(-1.5,0.5) N12(-1,0.5) N13(-0.5,0.5) N15(0.5,0.5) N16(1,0.5) N17(1.5,0.5) N18(2,0.5) N19(2.5,0.5) N20(3,0.5) N21(3.5,0.5) N22(4,0.5) N23(4.5,0.5) N24(5,0.5) N25(5.5,0.5) N26(6,0.5) N27(6.5,0.5) P1(-6.5,0) P2(-6,0) P3(-5.5,0) P5(-4.5,0) P7(-3.5,0) P9(-2.5,0) P12(-1,0) P13(-0.5,0) P15(0.5,0) P16(1,0) P19(2.5,0) P21(3.5,0) P23(4.5,0) P25(5.5,0) P26(6,0) P27(6.5,0) R1(-6.5,-0.5) R2(-6,-0.5) R3(-5.5,-0.5) R4(-5,-0.5) R5(-4.5,-0.5) R6(-4,-0.5) R7(-3.5,-0.5) R8(-3,-0.5) R9(-2.5,-0.5) R10(-2,-0.5) R11(-1.5,-0.5) R12(-1,-0.5) R13(-0.5,-0.5) R15(0.5,-0.5) R16(1,-0.5) R17(1.5,-0.5) R18(2,-0.5) R19(2.5,-0.5) R20(3,-0.5) R21(3.5,-0.5) R22(4,-0.5) R23(4.5,-0.5) R24(5,-0.5) R25(5.5,-0.5) R26(6,-0.5) R27(6.5,-0.5) T1(-6.5,-1) T2(-6,-1) T9(-2.5,-1) T12(-1,-1) T13(-0.5,-1) T14(0,-1) T15(0.5,-1) T16(1,-1) T19(2.5,-1) T26(6,-1) T27(6.5,-1) U1(-6.5,-1.5) U2(-6,-1.5) U9(-2.5,-1.5) U10(-2,-1.5) U11(-1.5,-1.5) U12(-1,-1.5) U13(-0.5,-1.5) U15(0.5,-1.5) U16(1,-1.5) U17(1.5,-1.5) U18(2,-1.5) U19(2.5,-1.5) U26(6,-1.5) U27(6.5,-1.5) V1(-6.5,-2) V2(-6,-2) V3(-5.5,-2) V4(-5,-2) V5(-4.5,-2) V6(-4,-2) V7(-3.5,-2) V8(-3,-2) V9(-2.5,-2) V12(-1,-2) V13(-0.5,-2) V15(0.5,-2) V16(1,-2) V19(2.5,-2) V20(3,-2) V21(3.5,-2) V22(4,-2) V23(4.5,-2) V24(5,-2) V25(5.5,-2) V26(6,-2) V27(6.5,-2) W1(-6.5,-2.5) W2(-6,-2.5) W3(-5.5,-2.5) W4(-5,-2.5) W5(-4.5,-2.5) W6(-4,-2.5) W7(-3.5,-2.5) W10(-2,-2.5) W11(-1.5,-2.5) W12(-1,-2.5) W13(-0.5,-2.5) W14(0,-2.5) W15(0.5,-2.5) W16(1,-2.5) W17(1.5,-2.5) W18(2,-2.5) W21(3.5,-2.5) W22(4,-2.5) W23(4.5,-2.5) W24(5,-2.5) W25(5.5,-2.5) W26(6,-2.5) W27(6.5,-2.5) Y1(-6.5,-3) Y2(-6,-3) Y10(-2,-3) Y13(-0.5,-3) Y15(0.5,-3) Y18(2,-3) Y26(6,-3) Y27(6.5,-3)
  silkscreen extent -7.6,-7 7,7, body extent -7.5,-7.5 7.5,7.5, height 0.25
FP-U_FL-R-SMT_10-MFG [mm]
  rect 1x1.05 smd paste-1000 mask+0: 1(0,1.525)
  rect 1.05x2.2 smd paste-1000 mask+0: 2(-1.475,0) 3(1.475,0)
  silkscreen extent -0.58,-1.38 0.58,-1.38, body extent -2.1,-1.48 2.1,2.15, height 0.25
FP-UQFN56BV7070-MFG [mm]
  rrect100% 1x0.2 smd paste+0 mask+0: 1(-3.5,2.6) 2(-3.5,2.2) 3(-3.5,1.8) 4(-3.5,1.4) 5(-3.5,1) 6(-3.5,0.6) 7(-3.5,0.2) 8(-3.5,-0.2) 9(-3.5,-0.6) 10(-3.5,-1) 11(-3.5,-1.4) 12(-3.5,-1.8) 13(-3.5,-2.2) 14(-3.5,-2.6) 29(3.5,-2.6) 30(3.5,-2.2) 31(3.5,-1.8) 32(3.5,-1.4) 33(3.5,-1) 34(3.5,-0.6) 35(3.5,-0.2) 36(3.5,0.2) 37(3.5,0.6) 38(3.5,1) 39(3.5,1.4) 40(3.5,1.8) 41(3.5,2.2) 42(3.5,2.6)
  rrect100% 0.2x1 smd paste+0 mask+0: 15(-2.6,-3.5) 16(-2.2,-3.5) 17(-1.8,-3.5) 18(-1.4,-3.5) 19(-1,-3.5) 20(-0.6,-3.5) 21(-0.2,-3.5) 22(0.2,-3.5) 23(0.6,-3.5) 24(1,-3.5) 25(1.4,-3.5) 26(1.8,-3.5) 27(2.2,-3.5) 28(2.6,-3.5) 43(2.6,3.5) 44(2.2,3.5) 45(1.8,3.5) 46(1.4,3.5) 47(1,3.5) 48(0.6,3.5) 49(0.2,3.5) 50(-0.2,3.5) 51(-0.6,3.5) 52(-1,3.5) 53(-1.4,3.5) 54(-1.8,3.5) 55(-2.2,3.5) 56(-2.6,3.5)
  rect 4.1x4.1 smd paste+0 mask+0: 57(0,0)
  rect 0.7x0.7 smd paste+0 mask+0: 58(-3.45,3.45) 59(3.45,3.45) 60(-3.45,-3.45) 61(3.45,-3.45)
  silkscreen extent -4.7,-4.35 4.35,4.35, body extent -4.1,-4.1 4.1,4.1, height 0.25
INDR62-500-1100X850X1100 [mm] "THD, 2-Leads, Dia 8.5mm, Pitch 5mm"
  rect 1.4x1.4 hole 0.9: 1(-2.5,0)
  round 1.4 hole 0.9: 2(2.5,0)
  silkscreen extent -5.02,-4.25 4.25,4.25, body extent -4.25,-4.25 4.25,4.25, height 11
JST-S2B-PH-K-S_V [mm] "THD, 2-Leads, Body 7.6x5.9mm, Pitch 2mm"
  rect 1.2x1.2 hole 0.7: 1(-1,2.45)
  round 1.2 hole 0.7: 2(1,2.45)
  silkscreen extent -2.95,-3.8 2.95,4.35, body extent -2.95,-3.8 2.95,3.8, height 4.8
RESC0402(1005)_L [mm] "Chip Resistor, Body 1.0x0.5mm, IPC High Density"
  rrect25% 0.5x0.55 smd: 1(-0.45,0) 2(0.45,0)
  silkscreen extent 0,-0.2 0,0.2, body extent -0.5,-0.25 0.5,0.25, height 0.3
RESC1005X40X25ML05T05 [mm] "Chip Resistor, 2-Leads, Body 1.05x0.55mm, IPC Low Density"
  rect 0.65x0.65 smd: 1(-0.5,0) 2(0.5,0)
  body extent -0.53,-0.28 0.53,0.28, height 0.4
RESC1005X40X25ML10T10 [mm] "Chip Resistor, 2-Leads, Body 1.1x0.6mm, IPC Low Density"
  rect 0.75x0.7 smd: 1(-0.475,0) 2(0.475,0)
  body extent -0.55,-0.27 0.55,0.28, height 0.4
RESC2013X70X40ML20T20 [mm] "Chip Resistor, 2-Leads, Body 2.2x1.35mm, IPC Low Density"
  rect 1.35x1.45 smd: 1(-0.975,0) 2(0.975,0)
  body extent -1.1,-0.67 1.1,0.67, height 0.7
RHB0032E_V [mm] "QFN, 32-Leads, Body 5x5mm, Pitch 0.5mm, Thermal Pad 3.45x3.45mm"
  rrect36% 0.85x0.28 smd: 1(-2.475,1.75) 2(-2.475,1.25) 3(-2.475,0.75) 4(-2.475,0.25) 5(-2.475,-0.25) 6(-2.475,-0.75) 7(-2.475,-1.25) 8(-2.475,-1.75) 17(2.475,-1.75) 18(2.475,-1.25) 19(2.475,-0.75) 20(2.475,-0.25) 21(2.475,0.25) 22(2.475,0.75) 23(2.475,1.25) 24(2.475,1.75)
  rrect36% 0.28x0.85 smd: 9(-1.75,-2.475) 10(-1.25,-2.475) 11(-0.75,-2.475) 12(-0.25,-2.475) 13(0.25,-2.475) 14(0.75,-2.475) 15(1.25,-2.475) 16(1.75,-2.475) 25(1.75,2.475) 26(1.25,2.475) 27(0.75,2.475) 28(0.25,2.475) 29(-0.25,2.475) 30(-0.75,2.475) 31(-1.25,2.475) 32(-1.75,2.475)
  rrect3% 3.45x3.45 smd: 33(0,0)
  silkscreen extent -3.35,-2.58 2.58,2.58, body extent -2.5,-2.5 2.5,2.5, height 1
TDK-VLS252010_V [mm] "SMD, 2-Leads, Body 2.5x2mm"
  rrect25% 0.6x2 smd: 1(-0.95,0) 2(0.95,0)
  silkscreen extent -0.25,-1 0.25,1, body extent -1.25,-1 1.25,1, height 1
VISH-DO-214AC-2_M [mm] "DO-214AC, 2-Leads, Body 4.5x2.79mm, IPC Low Density"
  rect 2.8x1.7 smd: 1(-1.625,0) 2(1.625,0)
  silkscreen extent -3.7,-1.4 2.25,1.4, body extent -2.25,-1.39 2.25,1.4, height 2.29
WINB-SOIC-8_L [mm] "SOIC, 8-Leads, Body 5.4x5.4mm, Pitch 1.27mm, IPC High Density"
  oval 1.4x0.55 smd: 1(-3.5,1.905) 2(-3.5,0.635) 3(-3.5,-0.635) 4(-3.5,-1.905) 5(3.5,-1.905) 6(3.5,-0.635) 7(3.5,0.635) 8(3.5,1.905)
  silkscreen extent -3.62,-2.7 2.4,2.85, body extent -2.7,-2.7 2.7,2.7, height 2.16